# KiCad board oresat-proto-card.kicad_pcb (continued)
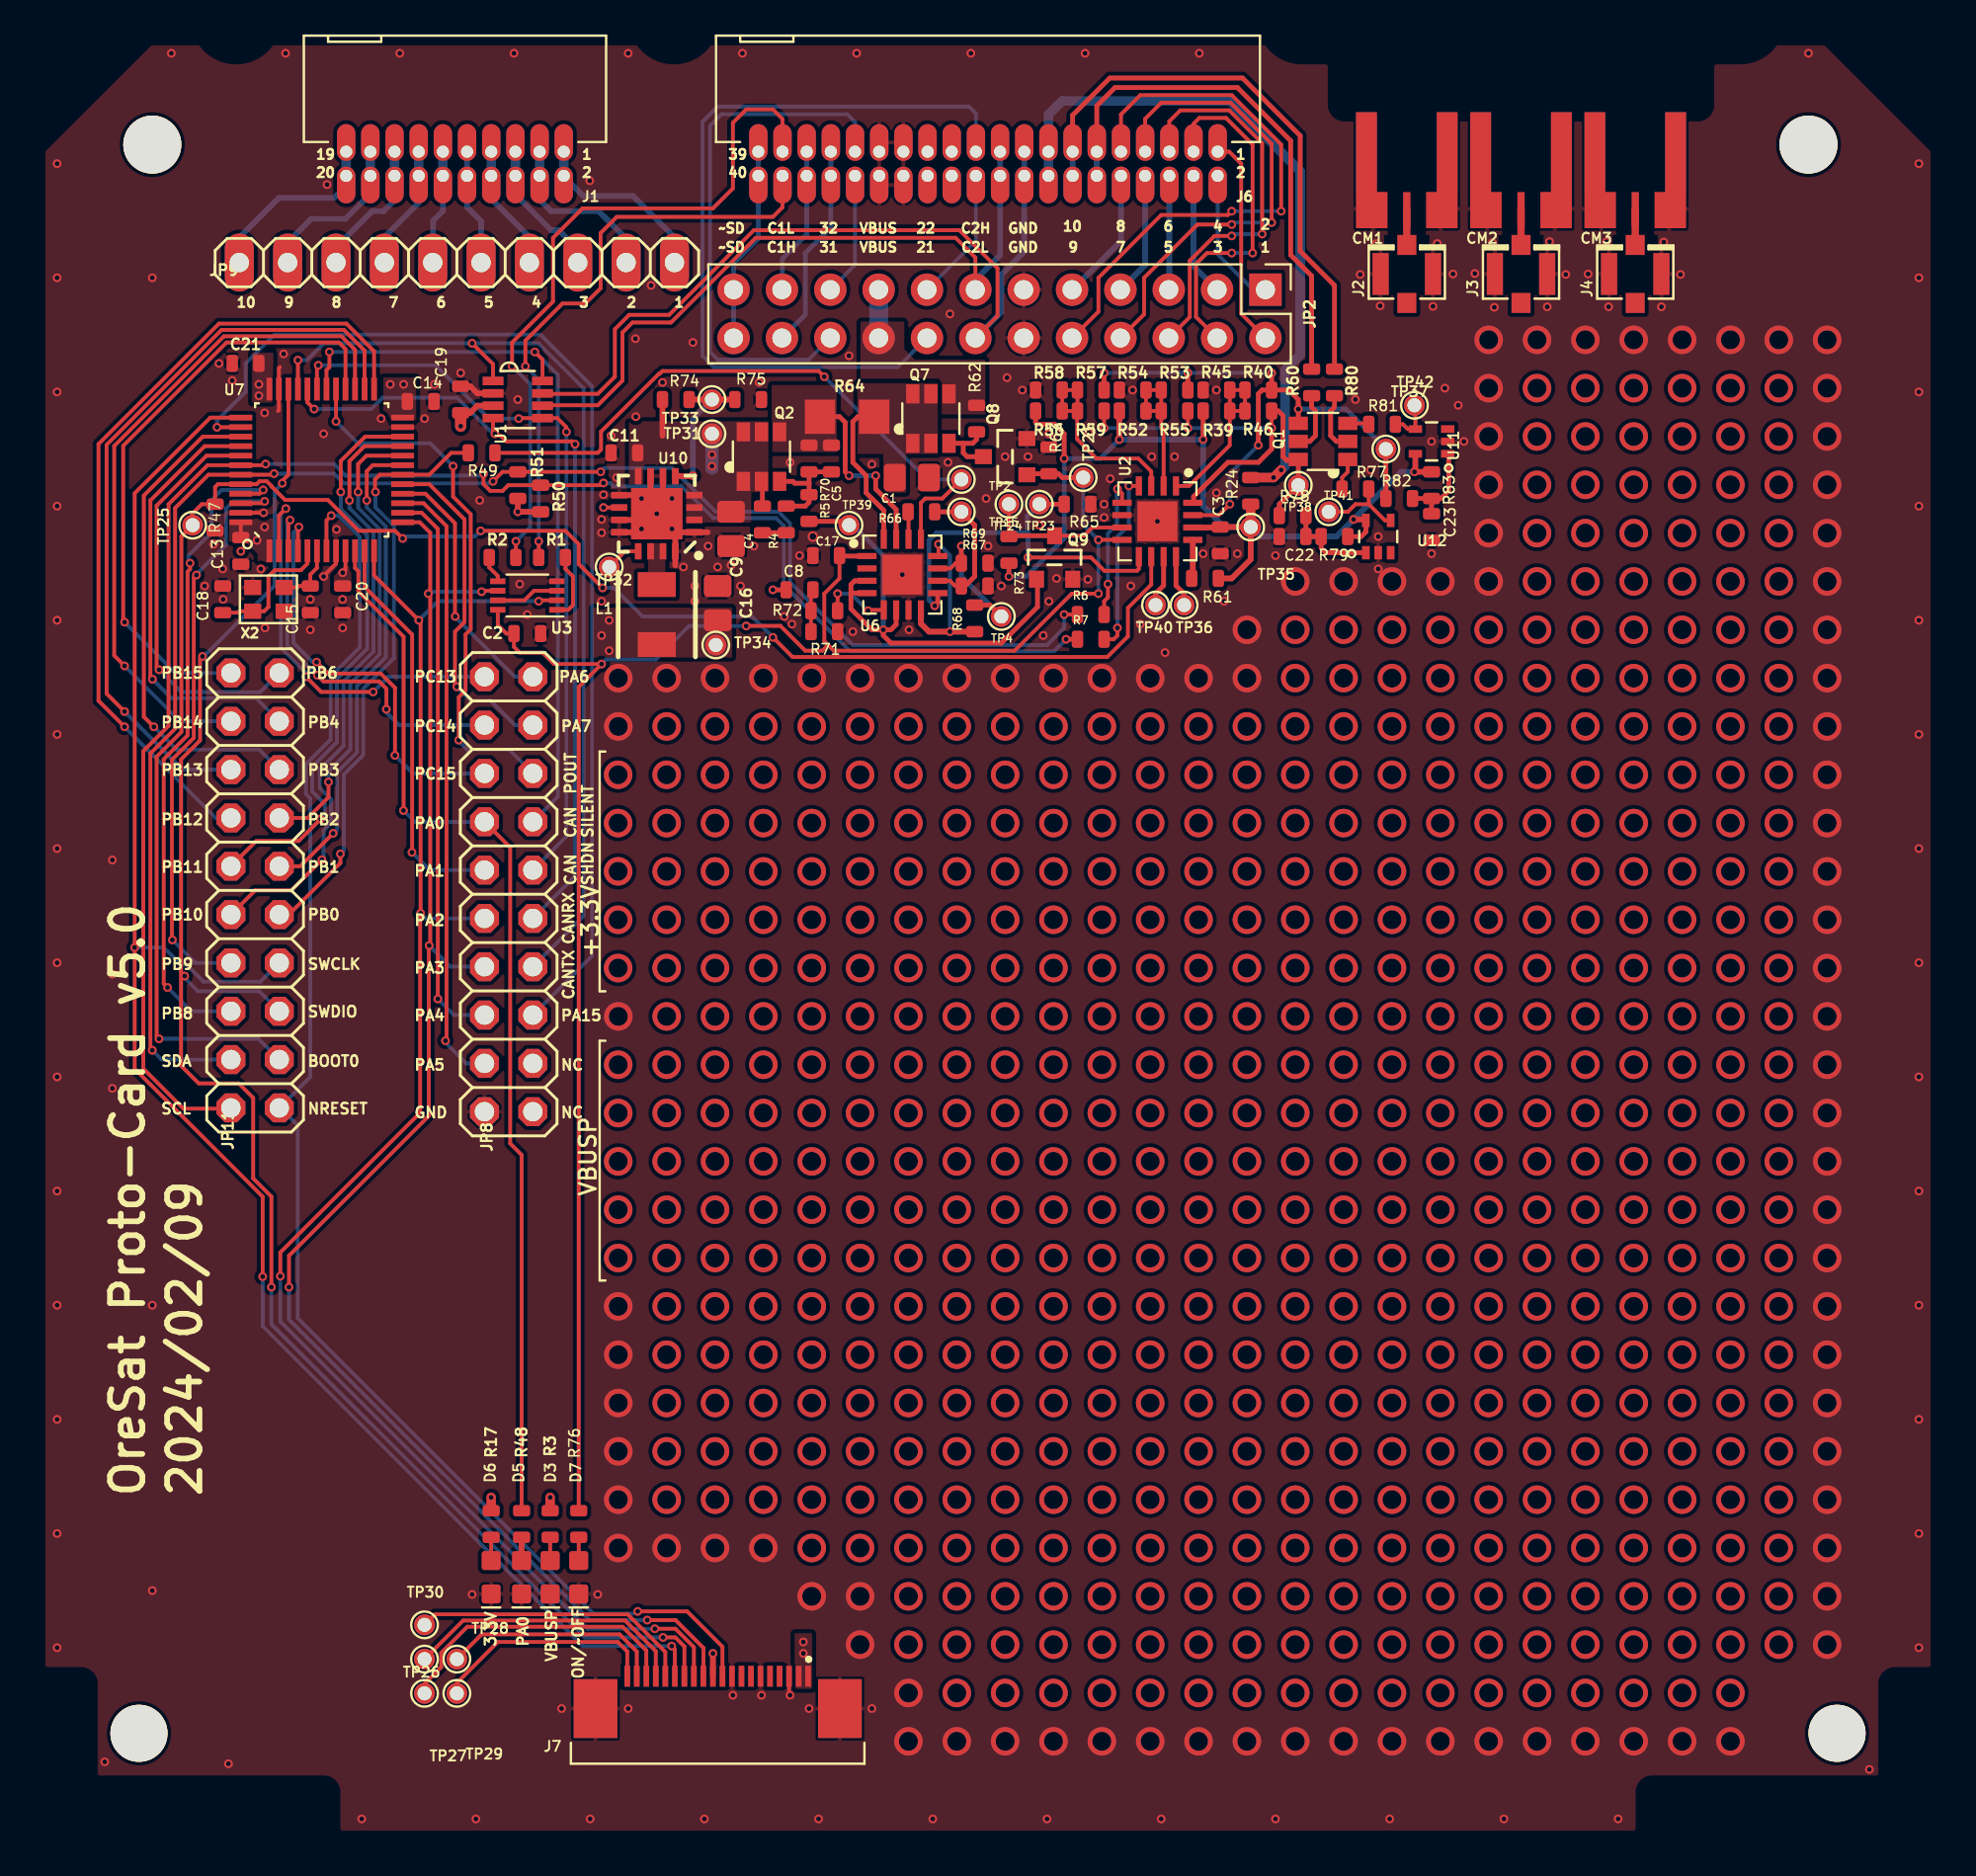
[diagram p0: board, top side]
## Routing (per net, layer and track width the routed paths; a pad name or vN(x,y) marks a point on that pad's centre or on a via; arc(x,y) is an arc through that point) (continued)
PA3/USART2_RX: length 83.6
  Top w0.2: J7.12 34.95,8.7 34.95,9.99 33.49,11.45 v2(32,11.45) ; v2(23.3,65.5) 23.35,65.55 U3.6 ; v2(13.18,28.95) 13.18,30.6 20.53,37.94 20.53,46.88 v2(20.54,46.9) 20.6,46.9 20.6,68.6 20.05,69.15 U7.13
  Bottom w0.2: v2(20.54,46.9) 21.64,45.8 23.44,45.8 JP8.13 ; v2(32,11.45) 28.97,11.45 13.18,27.24 v2(13.18,28.95) ; v2(23.3,65.5) 20.6,65.5 v2(20.5,65.4)
PB6/SCL: length 91.3
  Top w0.2: v2(11.95,72.21) 11.95,72.15 U7.42 8.9,72.15 6.85,70.1 6.85,58.45 5.53,57.13 5.53,40.44 7.63,38.33 10.09,38.33 JP11.2 ; v2(29.7,71.22) 29.58,71.1 R50.1 24.7,71.1 24.4,70.8 23.76,70.8 23.4,71.16 v2(23.4,71.7)
  Top w0.25: R7.1 v2(54,63)
  Bottom w0.2: v2(54,63) 53.37,62.37 42.66,62.37 39.17,65.86 39.17,68.96 38.76,69.37 35.46,69.37 33.79,71.04 30.21,71.04 30.04,71.22 v2(29.7,71.22) ; v2(23.4,71.7) 23.4,71.6 16.16,71.6 15.55,72.21 v2(11.95,72.21)
PB7/SDA: length 88.8
  Top w0.2: v2(23.9,71.3) 24.4,71.8 R51.1 v2(29.56,71.8) ; v2(6,41.4) 5.9,41.5 5.9,57 7.2,58.3 7.2,69.9 8.95,71.65 U7.43 12.34,71.65 v2(12.4,71.71) ; v2(53.9,64.3) R6.1
  Bottom w0.2: v2(29.56,71.8) 29.76,72 33.3,72 35.6,69.7 38.9,69.7 39.5,69.1 39.5,66 42.8,62.7 53,62.7 53.9,63.6 v2(53.9,64.3) ; v2(12.4,71.71) 15.54,71.71 16.05,71.2 23.8,71.2 v2(23.9,71.3) ; JP11.4 6.49,40.91 v2(6,41.4)
POUT: length 33.7
  Top w0.2: U6.13 46.38,70.18 46.6,70.4 47.5,70.4 TP2.1 ; R49.1 29.4,72.8 29.57,72.97 29.57,73.92 32.61,76.96 32.66,76.96 32.8,77.1 41,77.1 v2(41.3,76.8)
  Bottom w0.2: TP2.1 46.7,71.4 v2(41.3,76.8)
VPD: length 51.9
  Top w0.25: 72.35,71.85 v2(72.3,71.8) ; 62.08,68.88 C3.2 ; 69.7,69.3 U12.5 69.75,68.65 69.5,68.4 R79.2 ; R56.2 52.4,74.4 52.5,74.3 53.4,74.3 53.9,73.8 v2(53.9,72.5) ; v2(61.2,73.5) R39.2 ; v2(51,66.3) R73.2
  Top w0.3: 69.7,69.3 v2(69.1,69.3) ; U2.14 62.08,68.88 ; U11.5 72.35,71.85 ; R83.2 v2(72.3,71.8) ; R52.2 v2(56.8,73.5) ; R61.2 62.7,66.2 63.7,67.2 TP35.1 C3.2
  Top w0.5: R24.2 TP35.1
  Bottom w0.25: v2(51,66.3) 51.9,66.3 53.9,68.3 53.9,72.5 v2(53.9,72.5) 55.8,72.5 v2(56.8,73.5)
  Bottom w0.3: v2(56.8,73.5) v2(61.2,73.5) 61.2,70 62.3,68.9 TP35.1 64.2,68.4 68.2,68.4 v2(69.1,69.3) 71.6,71.8 v2(72.3,71.8)
Net-(C4-Pad1): length 1.2
  Top w0.25: C4.1 R4.1
Net-(C8-Pad1): length 2.2
  Top w0.2: R71.2 R72.2 40.6,65.5 C8.1
Net-(D3-PadA): length 1.2
  Top w0.2: R3.1 26.9,14.58
Net-(D5-PadA): length 1.2
  Top w0.3: R48.1 25.4,14.58
Net-(D6-PadA): length 1.2
  Top w0.2: R17.1 23.8,14.58
Net-(D7-PadA): length 1.2
  Top w0.2: R76.1 28.4,14.58
Net-(J2-SIGNAL): length 1.4
  Top w0.38: 71.9,84.23 71.9,85.62
Net-(J3-SIGNAL): length 1.4
  Top w0.38: 77.9,84.23 77.9,85.62
Net-(J4-SIGNAL): length 1.4
  Top w0.38: 83.9,84.23 CM3.SIG
Net-(J7-DEBUG-0): length 15
  Top w0.2: J7.17 32.45,9.81 30.84,11.43 22.33,11.43 TP26.1
Net-(J7-DEBUG-1): length 15.7
  Top w0.2: TP27.1 20.3,8.1 21.18,8.98 21.18,9.73 22.55,11.1 30.7,11.1 31.95,9.85 J7.18
Net-(J7-DEBUG-2): length 11.7
  Top w0.2: J7.19 31.45,9.8 30.55,10.7 23.3,10.7 TP28.1
Net-(J7-DEBUG-3): length 11.9
  Top w0.2: J7.20 30.95,9.8 30.45,10.3 24.15,10.3 22,8.15 TP29.1
Net-(J7-SWO): length 15
  Top w0.2: J7.16 32.95,9.77 30.97,11.75 20.85,11.75 TP30.1
Net-(Q1A-G): length 1.7
  Top w0.2: Q1.1 68.8,71.8 68.5,71.5 R77.2
Net-(Q1A-S): length 3.2
  Top w0.25: R60.2 66.9,75.2 67.1,75 67.1,73.7 66.8,73.4 Q1.5
Net-(Q1B-G): length 1.1
  Top w0.2: Q1.3 69.85,74.35 R81.2
Net-(Q1B-S): length 3.2
  Top w0.25: Q1.2 68.2,73.4 67.9,73.7 67.9,75 68.1,75.2 R80.2
Net-(Q2-G): length 5.6
  Top w0.25: 40.5,71.2 R70.1 C5.1 ; 40.5,71.2 39.75,71.2 39.65,71.3 Q2.3 ; 40.5,71.2 R5.2 40.5,70.2 40.3,70 R4.2
Net-(Q2-S): length 9.5
  Top w0.25: R64.2 42.1,74.7 42.4,74.4 42.4,71.8 v2(42.6,71.6) ; v2(44,71.6) 44,70.9 45.08,69.83 U6.15
  Bottom w0.25: v2(44,71.6) v2(42.6,71.6)
Net-(Q7-G): length 3.6
  Top w0.25: Q8.3 48.8,72.6 48.6,72.8 48.6,73.3 ; R62.1 49.3,73.5 49.1,73.3 48.6,73.3 ; 48.6,73.3 Q7.3
Net-(U2-IO0): length 9.4
  Top w0.2: v2(56.7,63.6) 56.7,63.2 56.5,63 R7.2 ; v2(57.3,71.06) U2.4
  Bottom w0.2: v2(57.3,71.06) 57.3,69 56.7,68.4 v2(56.7,63.6)
Net-(U2-IO1): length 7.7
  Top w0.2: v2(56.2,65.9) 56.2,65.2 56,65 R6.2 ; U2.5 56.94,70.66 v2(56.7,70.9)
  Bottom w0.2: v2(56.7,70.9) 56.67,70.87 56.67,69.04 56.2,68.56 v2(56.2,65.9)
Net-(U2-IO6): length 2.7
  Top w0.25: TP40.1 58.7,65.4 59.12,65.83 U2.11
Net-(U2-IO7): length 2.7
  Top w0.25: TP36.1 60.2,65.4 59.78,65.83 U2.12
Net-(U2-~{RESET}): length 2
  Top w0.3: 60.66,68.23 60.66,66.26 R61.1
Net-(U3-IN1): length 3.3
  Top w0.2: U3.7 25.55,65.05 26.05,65.55 U3.3
Net-(U3-NO1): length 3.6
  Top w0.2: R1.2 27.7,66.7 28.1,66.3 28.1,64.8 27.85,64.55 U3.1
Net-(U3-NO2): length 1.4
  Top w0.2: U3.5 24.15,66.33 23.7,66.78 R2.2
Net-(U6-CIN1+): length 7.4
  Top w0.2: R67.2 48.18,65.8 47.9,66.08 47.26,66.08
  Top w0.25: R66.1 TP15.1 49.2,69 49.2,66.3 48.7,65.8 R67.2
Net-(U6-CIN1-): length 8.5
  Top w0.2: U6.11 47.93,66.73 48.2,67 R69.2
  Top w0.25: R68.1 50,64.8 TP4.1 ; v2(48.5,67.9) R69.2
  Bottom w0.25: TP4.1 48.5,66.3 v2(48.5,67.9)
Net-(U6-CIN2+): length 9.2
  Top w0.2: v2(47.3,68) 47.3,67.38 47.26,67.38
  Top w0.3: U6.8 46.38,63.83 46.8,63.4 v2(47.9,63.4) R68.2
  Bottom w0.2: v2(47.3,68) 47.9,67.4 v2(47.9,63.4)
Net-(U6-INHIBIT): length 3.7
  Top w0.2: U6.5 43.64,64.54 v2(43.6,64.5) ; v2(42,65.4) R72.1
  Bottom w0.2: v2(43.6,64.5) 42.7,65.4 v2(42,65.4)
Net-(U6-IOUT): length 1.5
  Top w0.2: U6.14 45.72,69.69 R66.2
Net-(U6-RS+): length 8.1
  Top w0.25: U6.16 44.43,69.78 43.5,70.7 43.5,71.6 42.8,72.3 42.8,74.44 43.06,74.7 R64.1
Net-(U7-PF0-OSC_IN): length 7.1
  Top w0.2: C18.1 10.5,64.4 10.58,64.48 X2.1 11.88,64.48 12.1,64.7 12.1,66.3 12.43,66.63 13.8,66.63 14.15,66.98 U7.5
Net-(U7-PF1-OSC_OUT): length 3.4
  Top w0.2: X2.3 13.62,65.73 13.7,65.8 C15.1 14.3,66.4 14.65,66.75 U7.6
Net-(U10-PG): length 1.9
  Top w0.2: U10.13 30.83,67.63 TP32.1
Net-(U10-SYNC): length 7.7
  Top w0.2: 34.38,71.58 v2(34.4,71.6)
  Top w0.3: R75.2 TP33.1 R74.1 ; 33.47,71.58 34.38,71.58
  Bottom w0.3: TP33.1 34.4,74.6 v2(34.4,71.6)
Net-(U11-INP): length 4.8
  Top w0.25: U11.1 74.1,72.7 74.1,70.8 73.7,70.4 R83.1 ; R83.1 C23.1 ; R83.1 R82.1
Net-(U11-OUT): length 2.4
  Top w0.2: R81.1 71.7,74.3 71.95,74.05 U11.4 72.35,75.25 TP42.1
Net-(U12-INP): length 5
  Top w0.25: R78.1 C22.1 R79.1 67.4,67.8 67.65,67.55 U12.1
Net-(U12-OUT): length 4.6
  Top w0.2: 69.9,70.1 69.2,70.1 68.8,69.7 TP41.1 ; 69.9,70.1 70.75,69.25 U12.4 ; 69.9,70.1 R77.1

## Copper pours and planes (outline as drawn; the poured copper is in the pictures)
3.3V on Top: 12.36,75.44 11.24,75.44 11.24,78.06 12.36,78.06
3.3V on Top: 19.86,74.54 18.57,74.54 18.14,74.97 18.14,76.76 19.86,76.76
3.3V on Top: 12.36,67.04 11.54,67.04 11.54,67.47 10.87,68.14 10.04,68.14 10.04,69.36 12.36,69.36
3.3V on Top: 16.46,65.54 15.54,65.54 15.54,66.33 16.07,66.86 16.46,66.86
3.3V on Top: 36.46,62.04 29.14,62.04 29.14,64.66 36.46,64.66
3.3V on In2.Cu: 37.06,8.94 6.94,8.94 6.94,80.36 37.06,80.36
GND on Top, Bottom, In1.Cu, In2.Cu: 99.9,-0.1 -0.1,-0.1 -0.1,94.8 99.9,94.8
VBUS on Top: 49.76,74.81 47.34,74.81 47.34,77.7 49.76,77.7
VBUS on Top: 45.5,78.25 46.05,77.7 48.85,77.7 48.85,76.7 43.2,76.7 43.2,79.7 45.5,79.7
VBUS on In2.Cu: 48.6,84.4 47.4,83.2 46.3,83.2 45.3,82.2 45.3,77.6 43.2,77.6 43.2,82.4 46.1,85.3 46.12,90.2 48.6,90.2
VBUSP on Top: 40.66,7.84 39.74,7.84 39.74,10.76 40.66,10.76
VBUSP on Top: 38.36,70.74 37.46,70.74 37.46,69.14 34.04,69.14 34.04,71.14 31.04,71.14 31.04,74.46 38.36,74.46
VBUSP on In2.Cu: 47.06,8.94 36.94,8.94 36.94,70.94 33.94,70.94 33.94,75.06 47.06,75.06
Net-(L1-Pad1) on Top: 32.95,65.55 32.05,65.55 32.05,68.05 32.95,68.05
Net-(Q2-S) on Top: 41.96,72.84 38.54,72.84 38.54,76.36 41.96,76.36
Net-(U6-RS+) on Top: 47.26,72.74 45.6,72.74 45.6,70.7 44.4,70.7 44.4,72.74 43.04,72.74 43.04,76.46 47.26,76.46

## Text on the board
F.Silkscreen: 10 | 9 | 8 | 7 | 6 | 5 | 4 | 3 | 2 | 1 | ~SD | C1L | C1H | 32 | 31 | VBUS | 22 | 21 | C2L | C2H | GND | PB15 | PB14 | PB13 | PB12 | PB11 | PB10 | PB9 | PB8 | SDA | SCL | PB6 | PB4 | PB3 | PB2 | PB1 | PB0 | SWCLK | SWDIO | BOOT0 | NRESET | PC13 | PC14 | PC15 | PA0 | PA1 | PA2 | PA3 | PA4 | PA5 | PA6 | PA7 | PA15 | NC | 3.3V | VBUSP | CANRX | CANTX | POUT | ON/~OFF | CAN / SILENT | CAN / SHDN | +3.3V | OreSat Proto-Card v5.0 | 2024/02/09
